# Altium PCB MCU014B_D1.PcbDoc (part 3 of 5)
Units mil, origin at the board's own origin, x right, y up, seen from the top; angles counter-clockwise.
Board outline 2300.04 x 4058 mil, 4 copper layers (TOP, GND, PWR, BOTTOM), stack 48.84 mil thick; 371 components, 238 nets, 1148 pads, 688 vias.
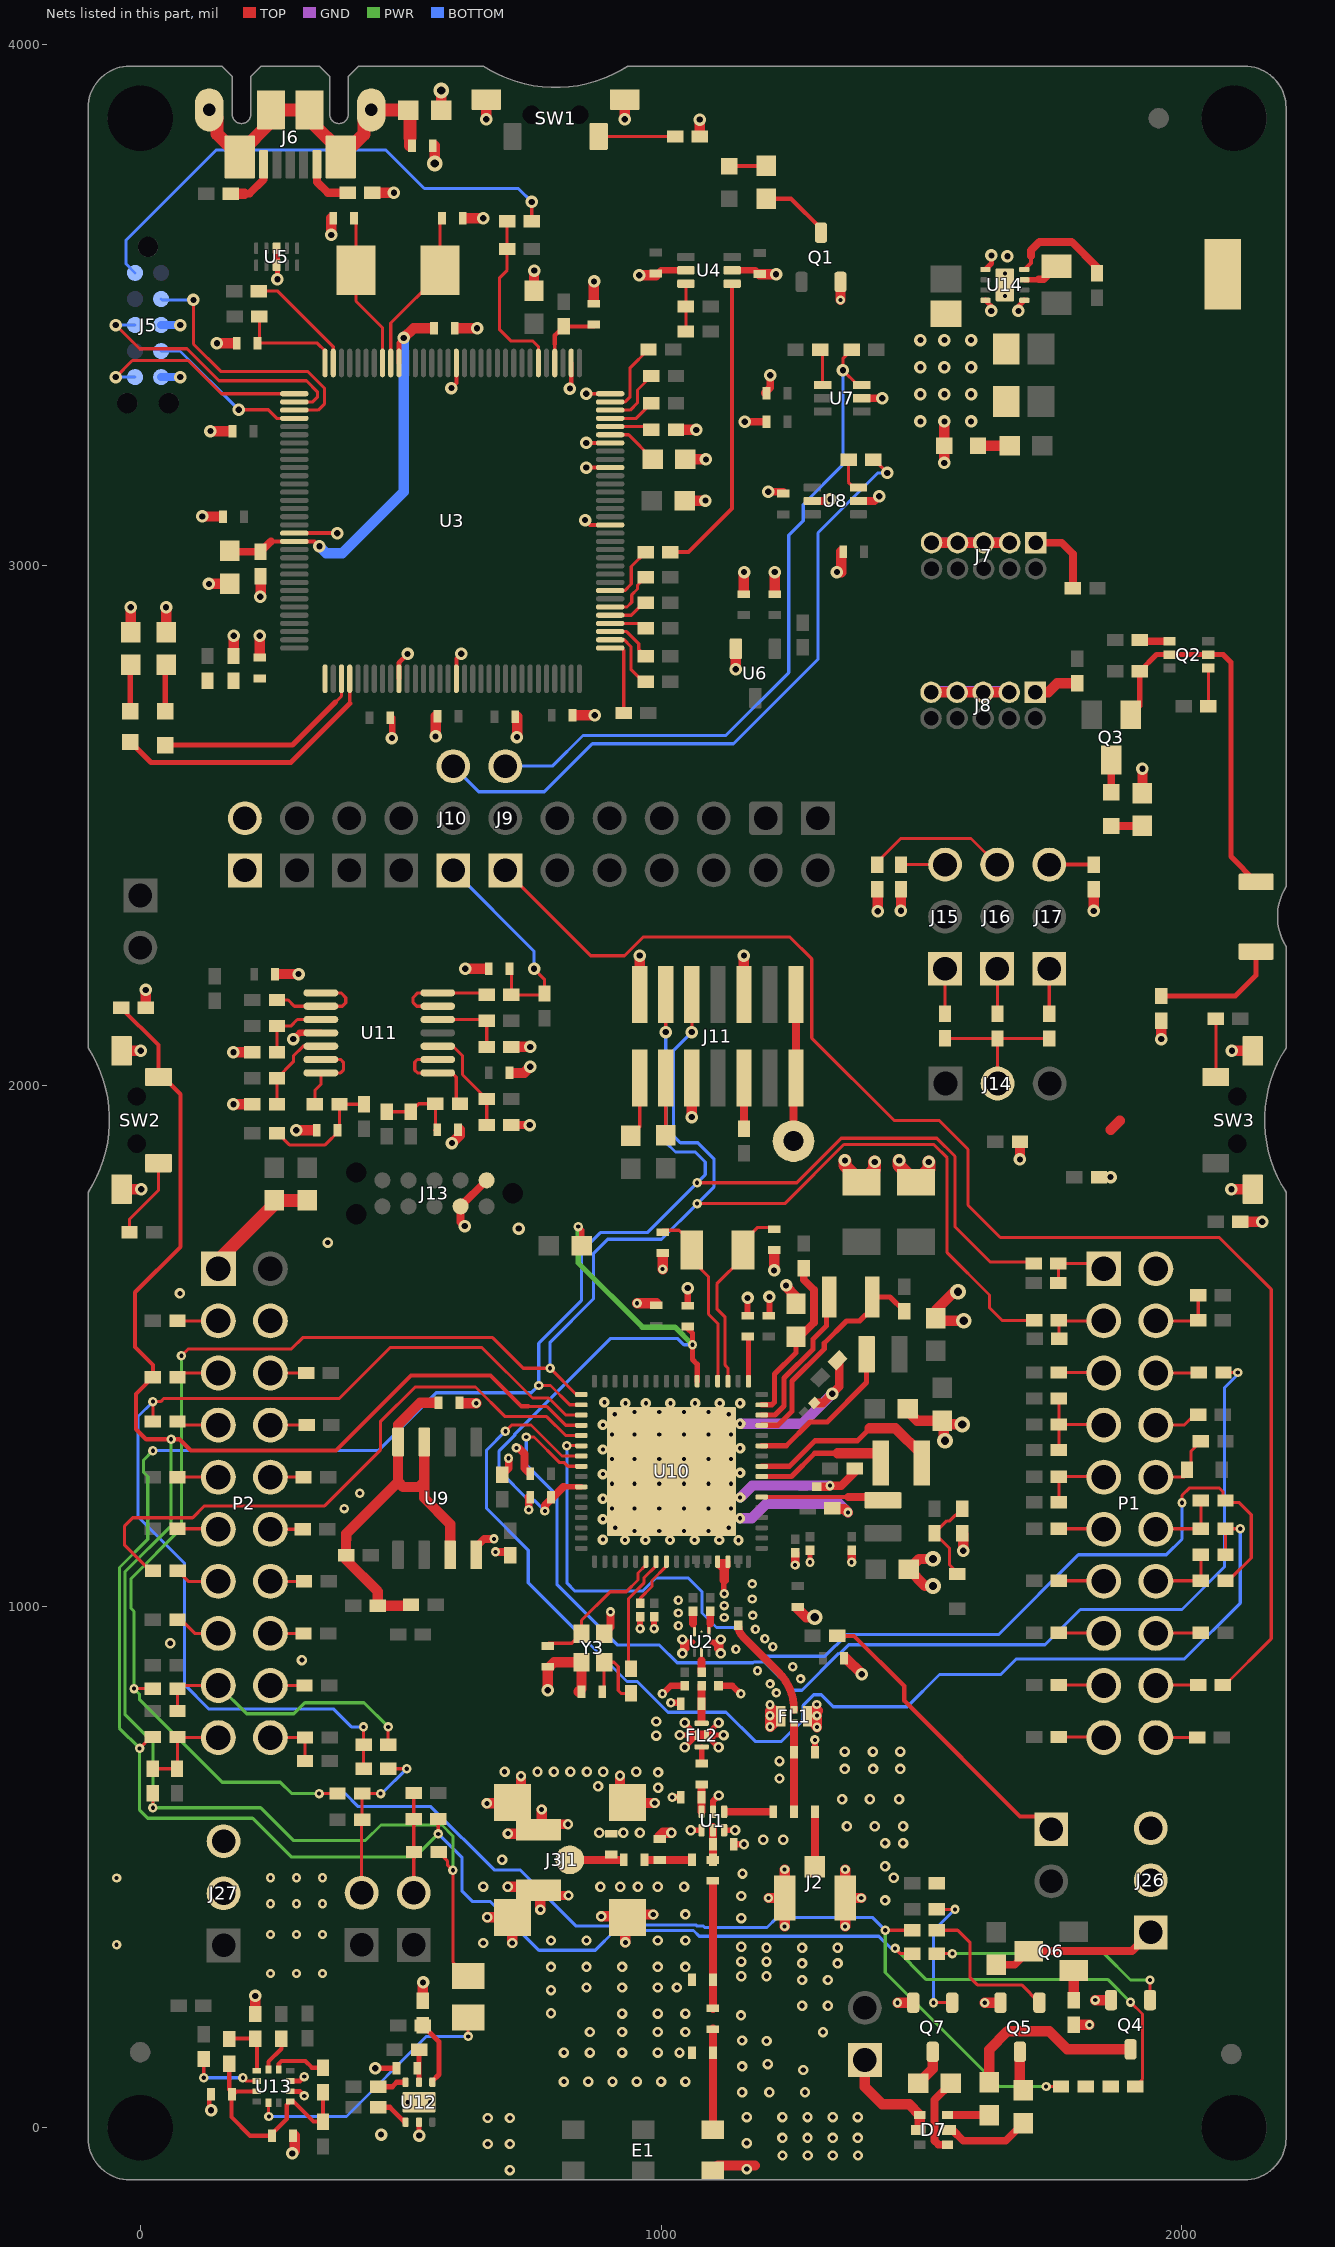
[diagram p5: the nets of this part, all layers, seen from the top]

## Via types
v1: diameter 24, hole 12, TOP to BOTTOM, tented both sides, 230 vias
v2: diameter 18, hole 8, TOP to BOTTOM, tented both sides, 218 vias
v3: diameter 20, hole 10, TOP to BOTTOM, tented both sides, 159 vias
v4: diameter 19.68, hole 7.87, TOP to BOTTOM, 32 vias
v5: diameter 20, hole 8, TOP to BOTTOM, tented both sides, 24 vias
v6: diameter 30, hole 16, TOP to BOTTOM, tented both sides, 17 vias
v7: diameter 20, hole 8, TOP to BOTTOM, tented bottom, 4 vias
v8: diameter 19.68, hole 7.87, TOP to BOTTOM, tented bottom, 4 vias

## Nets (pads, with @x,y where several pads share a name; then routed paths per layer and width w, separated by ;. In a path a pad name is that pad's centre, name@x,y a point inside that pad or via, vN(x,y) a via of type N, cw(c..) or ccw(c..) an arc to the next point about the centre after c; other vN are vias at no path point) (continued)
GND: C3.2 C4.2 C5.2 C8.2 C11.2 C14.2 C15.2 C17.2 C18.2 C19.2 C20.2 C21.1 C22.2 C23.1 C24.2 C25.2 C26.2 C27.2 C28.2 C29.2 C30.2 C31.2 C32.2 C33.2 C34.2 C35.2 C36.2 C37.2 C38.2 C39.2 C40.2 C41.2 C42.2 C43.2 C44.2 C45.2 C46.2 C47.2 C48.2 C49.2 C50.2 C51.2 C52.2 C53.2 C54.2 C55.2 C56.2 C57.2 C58.2 C59.2 C60.2 C61.2 C62.2 C63.2 C64.2 C65.2 C66.2 C67.2 C68.2 C69.2 C70.2 C71.2 C72.2 C73.2 C74.2 C75.2 C76.2 C77.2 C78.2 C79.2 C80.2 C81.2 C82.2 D8.1 E1.1 E1.6 FL1.2 FL1.4 FL2.2 J1.2 J1.3 J1.4 J1.5 J2.2@1353.38,440.99 J2.3@1237.23,440.99 J3.2@764.84,456.14 J3.3@764.84,572.28 J5.3 J5.5 J7.3 J7.5 J7.7 J7.9 J8.3 J8.5 J8.7 J8.9 J11.5 J11.10 J11.13 J13.1 J13.9 J26.2 J26.3 J27.2 J27.3 J28.1 J28.2 L1.2 L2.2 L3.1 L3.2 L4.1 L6.2 P1.2 P2.4 Q1.2 Q4.2 Q5.2 Q7.2 R16.1 R18.1 R19.1 R21.1 R25.1 R27.1 R30.1 R45.2 R46.2 R56.2 R57.2 R58.2 R59.2 R62.2 R63.2 R118.1 R119.1 R128.1 R129.1 R140.1 R144.1 R156.2 R157.2 R158.1 R159.1 R169.2 R170.2 R171.2 R172.1 SW1.1 SW1.2 SW2.1 SW2.2 SW3.1 SW3.2 TP2.1 U1.2 U1.4 U1.6 U2.2 U3.10 U3.17 U3.48 U3.55 U3.58 U3.64 U3.66 U3.80 U3.114 U4.2 U4.5 U5.3@261.87,3608.55 U5.8@261.87,3575.68 U6.2 U7.2 U8.2 U8.5 U9.4 U10.29 U10.30 U10.65@1020,1260 U11.11 U12.2 U12.7@535.13,48.96 U13.8 U13.9 U14.1 U14.4 U14.5 U14.9@1660,3538 Y3.2 Y3.4 | length 9418.8
  TOP w6: v1(856.09,3329.09) U3.64@902.15,3329.09
  TOP w7.5: U3.114@295.85,3061.38 v1(378.38,3061.38) ; v1(597.5,3340) 606.87,3349.37 U3.80@606.87,3388.15 ; U3.17@606.87,2781.85 606.87,2820.63 v1(616.24,2830) ; v1(854,3086.5) 863.37,3077.13 U3.48@902.15,3077.13
  TOP w8: C77.2@132.38,64.62 132.38,37.24 v1(136,33.62) ; v1(856.09,3187.36) U3.55@902.15,3187.36 ; v1(856.09,3234.61) U3.58@902.15,3234.61
  TOP w9: U3.10@496.64,2781.85 496.64,2812.72 v1(513.33,2829.41) ; v1(825,3339) 827.35,3341.35 U3.66@827.35,3388.15
  TOP w10: U5.3@261.87,3608.85 263.37,3607.35 v1(263.37,3548.7) ; U13.8@288.09,69.78 306.16,69.78 v2(314.75,61.18) ; U13.9@288.09,89.46 306.16,89.46 v2(314.75,98.06) ; v1@451.39,114.17 C75.2@488.19,114.17 ; v1@535.13,-14.51 U12.2@535.13,10.58 ; U10.65@1020,1260 U10.65@1060.07,1260 ; v3(1035.72,753.95) 1056.53,753.95 ; v3(1045.23,730.26) 1056.61,741.64 ; v3(1045.23,777.49) 1056.61,766.11 ; v3(1056.95,571.21) U1.4@1077.81,571.21 ; 1060.99,932.29 1055.82,932.29 ; 1094.62,932.29 1099.79,932.29 ; v3(1110.38,730.26) 1099,741.64 ; v3(1110.38,777.49) 1099,766.11 ; v3(1119.89,753.79) 1099.08,753.79 1099,753.87 ; v2@1120.3,1026.4 1120.3,1044.53 ; U1.6@1121.11,571.21 v3(1141.97,571.21) ; v2(1285.88,1085.78) C55.2@1285.88,1108.75 ; U14.4@1622.6,3508.47 1634,3497.07 v1(1634,3488) ; U14.1@1622.6,3567.53 1634.17,3579.09 v1(1634.17,3594.56) ; v1(1686,3488) 1686,3497.07 U14.5@1697.4,3508.47 ; 1055.82,932.29 1045.97,932.29 v3(1040.92,937.34) v3(1040.92,910.62) 1049.27,918.97 1049.27,925.75 1055.82,932.29 ; 1056.61,741.64 FL2.2@1068.85,753.87 ; 1056.61,741.64 1056.61,753.87 ; 1056.61,753.87 1056.61,766.11 ; 1056.61,753.87 FL2.2@1068.85,753.87 ; 1056.61,766.11 FL2.2@1068.85,753.87 ; FL2.2@1086.76,753.87 1099,753.87 ; FL2.2@1086.76,753.87 1099,741.64 ; FL2.2@1086.76,753.87 1099,766.11 ; 1099,741.64 1099,753.87 ; 1099,753.87 1099,766.11 ; 1099.79,932.29 1109.64,932.29 v3(1114.69,937.34) v3(1114.69,910.62) 1106.34,918.97 1106.34,925.75 1099.79,932.29 ; U10.29@1108.58,1080.29 1116.82,1072.06 1116.82,1050.42 1121.18,1046.05 1125.38,1050.24 1125.38,1074.58 1128.27,1077.47 U10.30@1128.27,1080.29 ; U10.29@1108.58,1080.29 U10.29@1108.58,1086.77 U10.30@1128.27,1086.77 U10.30@1128.27,1080.29 ; U10.29@1108.58,1080.29 U10.30@1128.27,1080.29
  TOP w12: v1(294,2090) 306,2102 U11.11@346.8,2102 ; v1(483.24,2668) 483.62,2668.38 C35.2@483.62,2707 ; v2(959.69,958.27) C64.2@959.69,981.27 ; v2(986.58,958.27) C54.2@986.58,981.27 ; C19.2@990,3556.38 999.62,3566 U4.2@1047.71,3566 ; v2(1002.48,833.2) 1003.19,833.2 1018.71,848.72 C15.2@1045.31,848.72 ; v2(1018.73,816.03) 1035.75,816.03 L4.1@1037.81,813.97 ; v2(1021.45,634.5) L2.2@1037.81,634.5 ; C47.2@1051,1581.62 v1(1051,1612) ; U1.2@1099.46,606.65 1099.46,626.63 v3(1110.63,637.8) ; C14.2@1110.31,848.72 1136.91,848.72 v2@1152.42,833.2 ; U4.5@1136.29,3566 1181.38,3566 C18.2@1189,3558.38 ; C5.2@1139.46,544.06 v3(1159.16,544.06) ; C63.2@1166,1562.62 v1(1166,1593) ; C52.2@1207,1562.62 1208,1563.62 v1(1208,1595) ; L1.2@1295.31,721.28 v2(1295.3,744.64)
  TOP w15: E1.1@1099.46,-3.54 L3.1@1099.46,144.21 C8.2@1099.46,190.51
  TOP w15.01: v1(623,1731) 615,1739 J13.9@615,1769 J13.1@665,1819 ; U9.4@645,1099.95 645,1115.2 660.31,1130.51 v2(679.11,1130.51) ; v2(682.15,1105.46) 703.82,1105.46 R46.2@710.53,1098.76 ; R45.2@695,1253.62 707.53,1266.15 v2@707.53,1285.16 ; R128.1@712.62,1925 v1(748,1925) ; v2(722.24,1305.16) 726.39,1305.16 737.67,1293.87 737.67,1266.33 C60.2@746,1258 ; C48.2@745,1210 745.98,1209.02 v2(745.98,1186.3) ; Y3.4@890.51,948.7 902.91,961.1 v2(902.91,990.38) ; v1(1160.6,3275.41) C26.2@1198.98,3275.41 ; C28.2@1198.98,3330.41 1209.6,3341.03 v1(1209.6,3364.41) ; v1(1205.6,3141.03) C40.2@1234.6,3141.03 ; U8.5@1290.42,3123.41 1322.02,3123.41 v1(1325.02,3126.41) ; U8.2@1379,3123.41 1409.6,3123.41 v1(1418.6,3132.41) ; U7.2@1385,3320.41 v1(1424.6,3320.41)
  TOP w16.54: v2(1257.24,1080.39) C68.2@1257.24,1103.75 ; C46.2@1294.06,1391.37 1310.61,1391.37 v1(1328.37,1409.13) 1342.19,1422.96 1342.19,1470.24 C45.2@1339.03,1473.41 ; C44.2@1298.78,1230.47 1321.97,1230.47 v2(1324.35,1232.86) 1346.24,1232.86 1371.54,1258.15 C43.2@1371.54,1265.69 ; v2(1365.68,1085.78) C53.2@1365.68,1108.75
  TOP w17.72: 1218.58,778.37 FL1.4@1229.71,789.51 1218.58,800.64 ; 1292.03,778.37 FL1.2@1280.9,789.51 1292.03,800.64
  TOP w18: J3.2@764.84,456.14 770.7,450.28 775.06,445.92 778.7,449.56 782.44,445.82 v3(822.17,445.82) ; J3.3@770.5,582.44 v3(821.18,582.44) ; FL2.2@1068.85,753.87 FL2.2@1086.76,753.87
  TOP w19.68: E1.6@1099.46,-82.28 1109.35,-72.4 1180.11,-72.4
  TOP w19.9: C71.2@262.62,2215 v1(304,2215) ; v1(624,2225) C72.2@665.38,2225 ; v1(782.17,839.98) 782.17,881.38 794.37,893.58 Y3.2@847.2,893.58 847.2,842.83 C67.2@841.38,837 ; v2(1003,1648.33) C65.2@1003,1675.71 ; v1(1217,1646) C66.2@1217,1681.38 ; v1(1240,1617) 1240,1614.43 1259,1595.43 C62.2@1259,1581.5 ; C42.2@1328.62,1189.5 1330.29,1187.83 1352.22,1187.83 v2(1358.78,1181.27) ; C49.2@1354.69,901.65 1385.02,871.32 v1(1385.02,870.65) ; R57.2@1415,2377.76 1415.91,2376.85 v1(1415.91,2335.47) ; v1(1460.5,2336.5) R56.2@1460.5,2377.88 ; v6(1522,1040) 1507.5,1040 C51.2@1475.5,1072 1495.5,1092 v6(1522,1092) ; C57.2@1543,1354.5 1543,1321 v6(1545,1319) ; v1(1543.73,3196.14) 1543.52,3196.36 D8.1@1543.52,3229 1543.52,3275.52 v1(1544,3276) ; v6(1570,1605) 1563,1605 1527,1569 C59.2@1527,1554.5 1532.5,1549 v6(1581,1549) ; v1(1830.63,2336.17) R58.2@1830.63,2377.54
  TOP w20: SW2.2@-35.88,1801.72 v1(1.72,1801.72) ; SW2.1@-35.88,2067.47 v1(0.96,2067.47) ; v1(-18.38,2919.38) -18,2919 R18.1@-18,2871.5 ; R156.2@10.62,2150 v1(10.62,2184.38) ; v1(49.62,2919.38) 50,2919 R19.1@50,2871.5 ; v1(119.25,3093.38) 155,3093.38 C30.2@155.38,3093 ; v1(132,2963.87) 171.37,2963.87 C38.2@172,2964.5 ; v1(134.76,3257.38) 173.38,3257.38 C31.2@173.76,3257 ; v1(147.21,3426.21) C17.2@181.59,3426.21 ; v1(179,1965) R129.1@215.38,1965 ; v1(179,2065) R118.1@215.38,2065 ; R16.1@179,2825.62 179.38,2826 v1(179.38,2864.62) ; R140.1@221,218.24 v1(221,253) ; C20.2@229,2825.62 229.38,2826 v1(229.38,2864.62) ; v1(230.62,2939.38) 231,2939.76 C37.2@231,2978.38 ; v1(292,-49.38) 296.62,-44.76 C76.2@296.62,-15.38 ; v1(299.63,1915) C74.2@335.38,1915 ; v1(366.96,3634.02) C23.1@366.96,3665.83 ; L6.2@445.62,3715 v1(487,3715) ; R144.1@542.54,243.6 542.54,278.6 v1(542.92,278.98) ; v6(565.12,3771.12) C22.2@565.12,3805 ; v1(567,2671) 567,2709.62 C34.2@567.38,2710 ; R27.1@577.99,3873.35 v6(577.99,3911.36) ; v1(598.49,1890.44) 613.82,1905.77 C73.2@613.82,1915.96 ; C39.2@607.62,3455 608,3454.62 v1(646.62,3454.62) ; C50.2@616.5,1392.1 617.6,1391 v2(645,1391) ; C21.1@622.95,3665.91 v1(658.7,3665.91) ; v1(664.5,3856.15) SW1.2@664.5,3893.88 ; v3(665.66,622.56) 712.74,622.56 J1.2@714.64,624.45 731.07,640.88 731.02,640.93 v3(731.02,675.07) ; v3(666.08,404.16) 712.53,404.16 713.49,405.12 J1.3@714.64,403.98 714.19,403.53 714.32,403.41 v3(714.32,354.55) ; v3(705.49,462.75) 758.01,462.75 758.12,462.86 J3.2@764.84,456.14 ; v3(705.92,564.67) 757.22,564.67 J3.3@764.84,572.28 ; C70.2@712.62,2025 737,2025 v1(749,2037) ; R119.1@712.62,2075 v1(749,2075) ; v1(723.24,2670) 723.62,2670.38 C36.2@723.62,2709 ; C32.2@756,3526.5 756,3565.12 v1(756.38,3565.5) ; v3(768.35,418.72) 768.35,447.93 J3.2@770.7,450.28 ; J3.3@770.5,582.44 v3(770.5,611.01) ; C29.2@833.62,2712 834,2711.62 v1(872.62,2711.62) ; C27.2@871,3505.62 871,3544.24 v1(871.38,3544.62) ; v3(884.95,405.78) 933.3,405.78 J1.4@935.11,403.98 ; v3(921.02,675.8) 921.02,639.08 920.75,638.81 J1.5@935.11,624.45 936.56,623 936.91,623.35 v3(987.96,623.35) ; v1(930.25,3856.15) SW1.1@930.25,3893.88 ; v3(931.57,355.78) 931.57,400.44 J1.4@935.11,403.98 ; v2(954,1583) 954.38,1582.62 C61.2@991,1582.62 ; v1(958.19,3556.38) C19.2@990,3556.38 ; J11.13@959,2175.43 v1(959,2250.35) ; v3(984.74,409.41) 940.78,409.41 940.66,409.52 J1.4@935.11,403.98 ; C3.2@997,557.14 997,559.43 1003.68,566.1 v3(1019.84,566.1) ; R25.1@1028.62,3260 1029,3259.62 v1(1067.62,3259.62) ; C33.2@1045.5,3124 v1(1085.18,3124) ; R30.1@1046.5,3203 v1(1086.18,3203) ; v1(1059,1940.28) J11.10@1059,2015.2 ; R21.1@1074.24,3823.02 v1(1074.24,3855.39) ; v1(1143.22,2800.24) 1143.22,2838.87 U6.2@1143.6,2839.24 ; J11.5@1159,2175.43 v1(1159,2250.35) ; C24.2@1159,2947.62 1159,2986.24 v1(1159.38,2986.62) ; C18.2@1189,3558.38 v1(1220.81,3558.38) ; v2(1206.23,440.99) J2.3@1237.23,440.99 ; v2@1209.19,799.73 v2(1209.19,791.25) ; C25.2@1218,2947.62 1218.38,2948 v1(1218.38,2986.62) ; 1218.58,778.37 1209.95,769.75 v2(1209.19,769.75) v2(1209.19,791.25) ; 1218.58,800.64 v2(1209.19,791.25) ; v2(1237.23,386.31) J2.3@1237.23,440.99 ; v2(1237.23,495.67) J2.3@1237.23,440.99 ; C58.2@1262.64,996.17 1278.6,980.21 v6(1295.31,980.21) ; 1292.03,778.37 v2@1299.26,771.14 ; 1292.03,800.64 1300.51,800.64 1297.62,797.75 1299.26,796.1 v2@1299.26,771.14 ; v2(1299.26,769.16) v2@1299.26,771.14 ; v1(1337.55,2986.71) 1345.9,2986.71 1345.98,2986.79 C41.2@1345.98,3025.41 ; v2(1344.4,3509.02) Q1.2@1344.4,3543.76 ; v2(1353.38,386.31) J2.2@1353.38,440.99 ; v2(1353.38,495.67) J2.2@1353.38,440.99 ; v2(1384.38,440.99) J2.2@1353.38,440.99 ; v2(1453.86,240.07) Q7.2@1484.09,240.07 ; C56.2@1473.5,1380 1473.5,1376 1491.99,1357.5 C57.2@1534,1357.5 ; J8.9@1518.28,2755.78 J8.7@1568.28,2755.78 J8.5@1618.28,2755.78 J8.3@1668.28,2755.78 ; J7.9@1519.19,3043.01 J7.7@1569.19,3043.01 J7.5@1619.19,3043.01 J7.3@1669.19,3043.01 ; R59.2@1578,1141.38 1580.02,1139.36 v1(1580.02,1107.83) ; v6(1578.43,1350.19) 1547.31,1350.19 1543,1354.5 C57.2@1542.5,1355 ; v2(1621.26,240.07) Q5.2@1651.49,240.07 ; v1(1689.04,1858.97) R62.2@1689.04,1892.69 ; R172.1@1792.2,197.45 v2(1822.44,197.45) ; v2(1833.66,245.07) Q4.2@1863.9,245.07 ; 1862.98,1915.62 1880.7,1933.35 ; R158.1@1924.21,2562.24 v1(1924.21,2609.21) ; v1(1960.07,2090.07) R159.1@1960.07,2125.59 ; v1(2095.06,1801.72) SW3.1@2135.88,1801.72 ; v1(2095.96,2067.47) SW3.2@2135.88,2067.47 ; R157.2@2112.26,1739.21 v1(2154.21,1739.21) ; C57.2@1534,1357.5 C57.2@1540,1357.5 C57.2@1542.5,1355 ; C57.2@1534,1357.5 1537.5,1354 1538.5,1355 C57.2@1542.5,1355
  TOP w25: v1(1353,1857.17) 1353,1847.09 C82.2@1385,1815.09 1410,1840.09 v1(1410,1854.17) ; v1(1457,1857.17) 1457,1847.09 C81.2@1489,1815.09 1514,1840.09 v1(1514,1854.17)
  GND w19.9: v5(1151.49,1170.12) 1174.12,1170.12 1201.6,1197.6 1342.45,1197.6 v2(1358.78,1181.27) ; v5(1151.7,1209.9) 1174.66,1232.86 v2(1324.35,1232.86) ; v5(1151.7,1351.63) 1270.87,1351.63 v1(1328.37,1409.13)
  GND w20: J7.9@1519.19,3043.01 J7.7@1569.19,3043.01 J7.5@1619.19,3043.01 J7.3@1669.19,3043.01 ; J8.9@1522.5,2757.61 J8.3@1672.5,2757.61
  BOTTOM w15: J5.5@40,3361 v1(77,3361) ; J5.3@40,3461 v1(77,3461)
  other v1: 535.69,-15.07 462.26,-13.27 451.35,114.22 726.56,1726.29 1862.98,1825.22 1498,3276 1595,3276 1498,3328 1544,3328 1595,3328 1498,3380 1544,3380 1595,3380 1498,3432 1544,3432 1595,3432 1665,3593
  other v2: 250,296 300,296 350,296 -45.44,351.28 250,371 300,371 350,371 250,430 300,430 350,430 -45.44,479.33 250,480 300,480 350,480 1299.03,791.12 1209.19,812.14 1298.88,812.42 1153.13,833.2 1221.31,834.82 1209.36,852.15 1267.85,861.76 1185.2,877.22 1252.9,884.97 1143.65,918.72 1214.58,923.42 1199.21,938.92 1181.07,956.9 1033.24,963.58 1121.41,979.63 1175.91,983.62 1033.24,988.2 1121.41,1002.46 1033.24,1012.82 1175.01,1015.04 1121.41,1025.29 1174.92,1044.06 391.67,1188.58 421.29,1218.21 707.05,1285.16
  other v3: 709.76,-81.3 1164.53,-79.52 1233.14,-53.39 1281.42,-53.39 1329.71,-53.39 1377.99,-53.39 667.01,-31.3 709.76,-31.3 1164.53,-29.52 1232.81,-19.52 1281.1,-19.52 1329.38,-19.52 1377.66,-19.52 667.01,18.7 709.76,18.7 1164.53,20.48 1232.81,20.48 1281.1,20.48 1329.38,20.48 1377.66,20.48 1155.53,68.01 1208,68.01 1276.28,68.01 813.41,88.46 860.06,88.46 906.72,88.46 953.37,88.46 1000.03,88.46 1046.68,88.46 1272.96,110.84 1155.53,117.72 1204.85,122.1 813.41,144.21 863.41,144.21 925.11,144.21 993.4,144.21 1035.31,144.21 1202.52,166.45 1155.53,167.43 863.41,183.82 925.11,183.82 993.4,183.82 1046.68,183.82 1310.83,183.63 1153.4,215.58 925.11,219.04 993.4,219.04 1046.68,219.04 788.55,219.71 1270.6,234.02 1320.18,234.02 788.55,264.21 856.83,269.21 925.11,269.21 993.4,269.21 1030.31,269.21 1270.6,283.6 1320.18,283.6 1154.04,290.6 1202.32,290.6 788.55,308.72 856.83,308.72 925.11,308.72 993.4,308.72 1046.68,308.72 1270.6,315.45 1338.89,315.45 1154.04,318.95 1202.32,318.95 1202.32,345.31 1270.6,345.31 1338.89,345.31 1154.04,347.31 658.58,354.55 788.55,359.48 856.83,359.48 993.4,359.48 1046.68,359.48 1154.04,402.5 1046.68,409.52 1430.08,436.31 1154.04,444.8 658.58,462.86 883.54,462.82 921.45,462.82 955.55,462.82 993.4,462.82 1044.07,462.82 1446.72,480.06 1156.25,487.84 1430.08,502.07 694.67,514.52 1430.08,546.35 1464.62,546.35 1196.16,552.92 1234.44,552.92 881.1,566.1 927.65,566.1 959.36,566.1 1356.8,578.69 1410.08,578.69 1464.62,578.69 1347.58,630.42 1400.86,630.42 1456.93,630.42 994.19,652.57 879.05,655.59 1227.26,670.52 994.19,682.15 699.45,683.36 762.68,683.36 794.29,683.36 825.91,683.36 857.52,683.36 889.14,683.36 952.36,683.36 1352.52,688.93 1407.1,688.93 1459.18,688.93 1227.26,703.77 1352.52,722.12 1406.72,722.12 1459.18,722.12 990.71,752.76 990.71,779.83 310.32,897.8 57.42,930.29 76.25,1601.77 360.12,1699.33
  other v4: 949.13,1145.83 996.38,1145.83 1043.62,1145.83 1090.87,1145.83 905.83,1189.13 949.13,1189.13 996.38,1189.13 1043.62,1189.13 1090.87,1189.13 1134.17,1189.13 905.83,1236.38 949.13,1236.38 996.38,1236.38 1043.62,1236.38 1090.87,1236.38 1134.17,1236.38 905.83,1283.62 949.13,1283.62 996.38,1283.62 1043.62,1283.62 1090.87,1283.62 1134.17,1283.62 905.83,1330.87 949.13,1330.87 996.38,1330.87 1043.62,1330.87 1090.87,1330.87 1134.17,1330.87 949.13,1374.17 996.38,1374.17 1043.62,1374.17 1090.87,1374.17
  other v5: 930.66,1128.3 969.9,1128.3 1017.14,1128.3 1064.39,1128.3 1111.63,1128.3 1148.67,1127.77 888.3,1129.12 888.3,1168.37 888.3,1207.61 888.3,1254.86 1151.7,1257.14 888.3,1302.1 1151.7,1304.39 888.3,1349.34 931.48,1390.88 970.72,1390.88 1017.97,1390.88 1065.21,1390.88 1112.46,1390.88 1151.7,1390.88 891.25,1392.67
  other v7: 911.89,1151.89 1129.9,1151.89 910.9,1369.9 1129.9,1369.9
  other v8: 513.48,48.96 556.79,48.96 1660,3516.35 1660,3559.65
IRSTN: J5.10 R29.1 | length 999.4
  TOP w6: R29.1@751.62,3660 v1(751.62,3697.38)
  BOTTOM w6: J5.10@-10,3561 -27.43,3578.43 -27.43,3623.68 145.88,3796.99 471.54,3796.99 545.41,3723.12 725.88,3723.12 v1(751.62,3697.38)
ITCK: J5.4 U3.100 | length 309.3
  TOP w6: v1(189.21,3298.21) 245.7,3298.21 262.07,3281.85 U3.100@295.85,3281.85
  BOTTOM w6: J5.4@40,3411 76.43,3411 v1(189.21,3298.21)
ITDI: J5.8 U3.98 | length 535.9
  TOP w6: v1(-47,3461) -1.41,3415.41 89.75,3415.41 151.17,3354 319.2,3354 340,3333.2 340,3322 331.35,3313.35 U3.98@295.85,3313.35
  BOTTOM w6: v1(-47,3461) J5.8@-10,3461
ITDO: J5.6 U3.97 | length 419.5
  TOP w6: v1(-47,3361) -15.05,3392.95 92.02,3392.95 155.88,3329.09 U3.97@295.85,3329.09
  BOTTOM w6: v1(-47,3361) J5.6@-10,3361
ITMS: J5.2 U3.99 | length 527.3
  TOP w6: v1(102.21,3509.21) 102.21,3424.21 154.43,3372 321,3372 354,3339 354,3310 341.6,3297.6 U3.99@295.85,3297.6
  BOTTOM w6: J5.2@40,3511 41.79,3509.21 v1(102.21,3509.21)
LED0: D1.2 U3.3 | length 410.7
  TOP w6: 375,2737 386.4,2748.4 U3.3@386.4,2781.85
  TOP w10: D1.2@48,2654.52 292.52,2654.52 375,2737
LED1: D2.1 U3.4 | length 532.1
  TOP w6: 402.15,2734.15 U3.4@402.15,2781.85
  TOP w10: D2.1@-19,2660.47 20.47,2621 289,2621 402.15,2734.15
LP_GPIO_01: J9.1 R91.2 | length 2785.7
  TOP w6: J9.1@701,2414 865,2250 929.74,2250 965.78,2286.04 1247.28,2286.04 1289.21,2244.11 1289.21,2091.79 1447.05,1933.95 1533.48,1933.95 1589.21,1878.23 1589.21,1771.3 1651.3,1709.21 2071.86,1709.21 2171.45,1609.62 2171.45,938.92 2082.53,850 R91.2@2078.62,850
LP_GPIO_02: C72.1 J10.1 R112.1 R116.2 | length 423.3
  TOP w6: C72.1@712.62,2225 R116.2@712.62,2175 773.38,2175 R112.1@776,2177.62 776,2205 v1(756,2225)
  BOTTOM w6: J10.1@601,2414 756,2259 v1(756,2225)
LP_RESET_OUT: D5.2 P1.10 R152.2 | length 136.2
  TOP w6: P1.10@1949.91,1249 2003.41,1249 2017.41,1263 2017.41,1299.03 R152.2@2036.38,1318
NetC1_1: C1.1 FL1.3 L1.1 R2.2 | length 168.2
  TOP w15: R2.2@1255.31,606.65 L1.1@1255.31,721.28 FL1.3@1255.31,774.85
NetC1_2: C1.2 J2.1 | length 105.6
  TOP w15: J2.1@1295.31,501.03 C1.2@1295.31,606.65
NetC2_1: C2.1 C3.1 R3.2 | length 85.6
  TOP w15: C2.1@972.81,514.21 C3.1@997,514.21 R3.2@1058.39,514.21
NetC2_2: C2.2 C4.1 J1.1 J3.1 | length 105.6
  TOP w15: J1.1@816.11,514.21 J1.1@824.87,514.21 C2.2@921.72,514.21
NetC5_1: C5.1 R3.1 R4.1 U1.5 | length 63.1
  TOP w15: R4.1@1099.46,514.21 C5.1@1099.46,544.06 U1.5@1099.46,577.28
NetC6_1: C6.1 FL2.1 L4.2 | length 68.9
  TOP w15.75: FL2.1@1077.81,779.8 L4.2@1077.81,813.97 C6.1@1077.81,848.72
NetC6_2: C6.2 U2.5 | length 38.2
  TOP w6: 1077.79,896.92 U2.5@1077.81,912.93
  TOP w15: C6.2@1077.81,874.7 1077.79,896.92
NetC7_1: C7.1 FL2.3 | length 30.9
  TOP w10.59: C7.1@1077.81,699.21 FL2.3@1077.81,730.15
NetC7_2: C7.2 L2.1 U1.3 | length 51.6
  TOP w15: U1.3@1077.81,606.65 L2.1@1077.81,634.5 C7.2@1077.81,658.26
NetC8_1: C8.1 C11.1 R4.2 | length 244.5
  TOP w15: C8.1@1099.46,227.91 C11.1@1099.46,284.21 R4.2@1099.46,472.4
NetC9_1: C9.1 U2.3 | length 39.9
  TOP w6: 1060.65,968.48 1061.3,967.84 1064.03,965.11 U2.3@1064.03,952.3
  TOP w15: 1061.3,967.84 C9.1@1061.3,990.19
NetC10_1: C10.1 U2.1 | length 39.9
  TOP w6: U2.1@1091.58,952.3 1091.58,965.11 1094.31,967.84 1094.96,968.48
  TOP w15: 1094.31,967.84 C10.1@1094.31,990.19
NetC17_1: C17.1 R8.2 U3.96 | length 206.3
  TOP w6: R8.2@228.83,3477.21 228.83,3426.21 339.79,3426.21 354.91,3411.09 U3.96@354.91,3388.15
NetC20_1: C20.1 R15.2 R16.2 U3.1
NetC21_2: C21.2 U3.88 Y1.2 | length 317
  TOP w6: U3.88@480.89,3388.15 480.89,3464.89 575.71,3559.71 C21.2@575.71,3665.91
NetC22_1: C22.1 J6.6 J6.7 J6.8 J6.9 J6.10 J6.11 R27.2 | length 674.9
  TOP w22: C22.1@517.87,3805 517.87,3819.87
  TOP w25: J6.10@133.25,3874.12 147.67,3859.7 147.67,3827.71 191.82,3783.57 191.82,3791.83 251.85,3851.87 251.85,3874.12 325.67,3874.12 325.67,3853.55 385.71,3793.51 385.71,3783.57 429.31,3827.16 429.31,3859.15 444.28,3874.12 514.24,3874.12 R27.2@515,3873.35 517.87,3870.48 517.87,3819.87